# KiCad board main.kicad_pcb (continued)
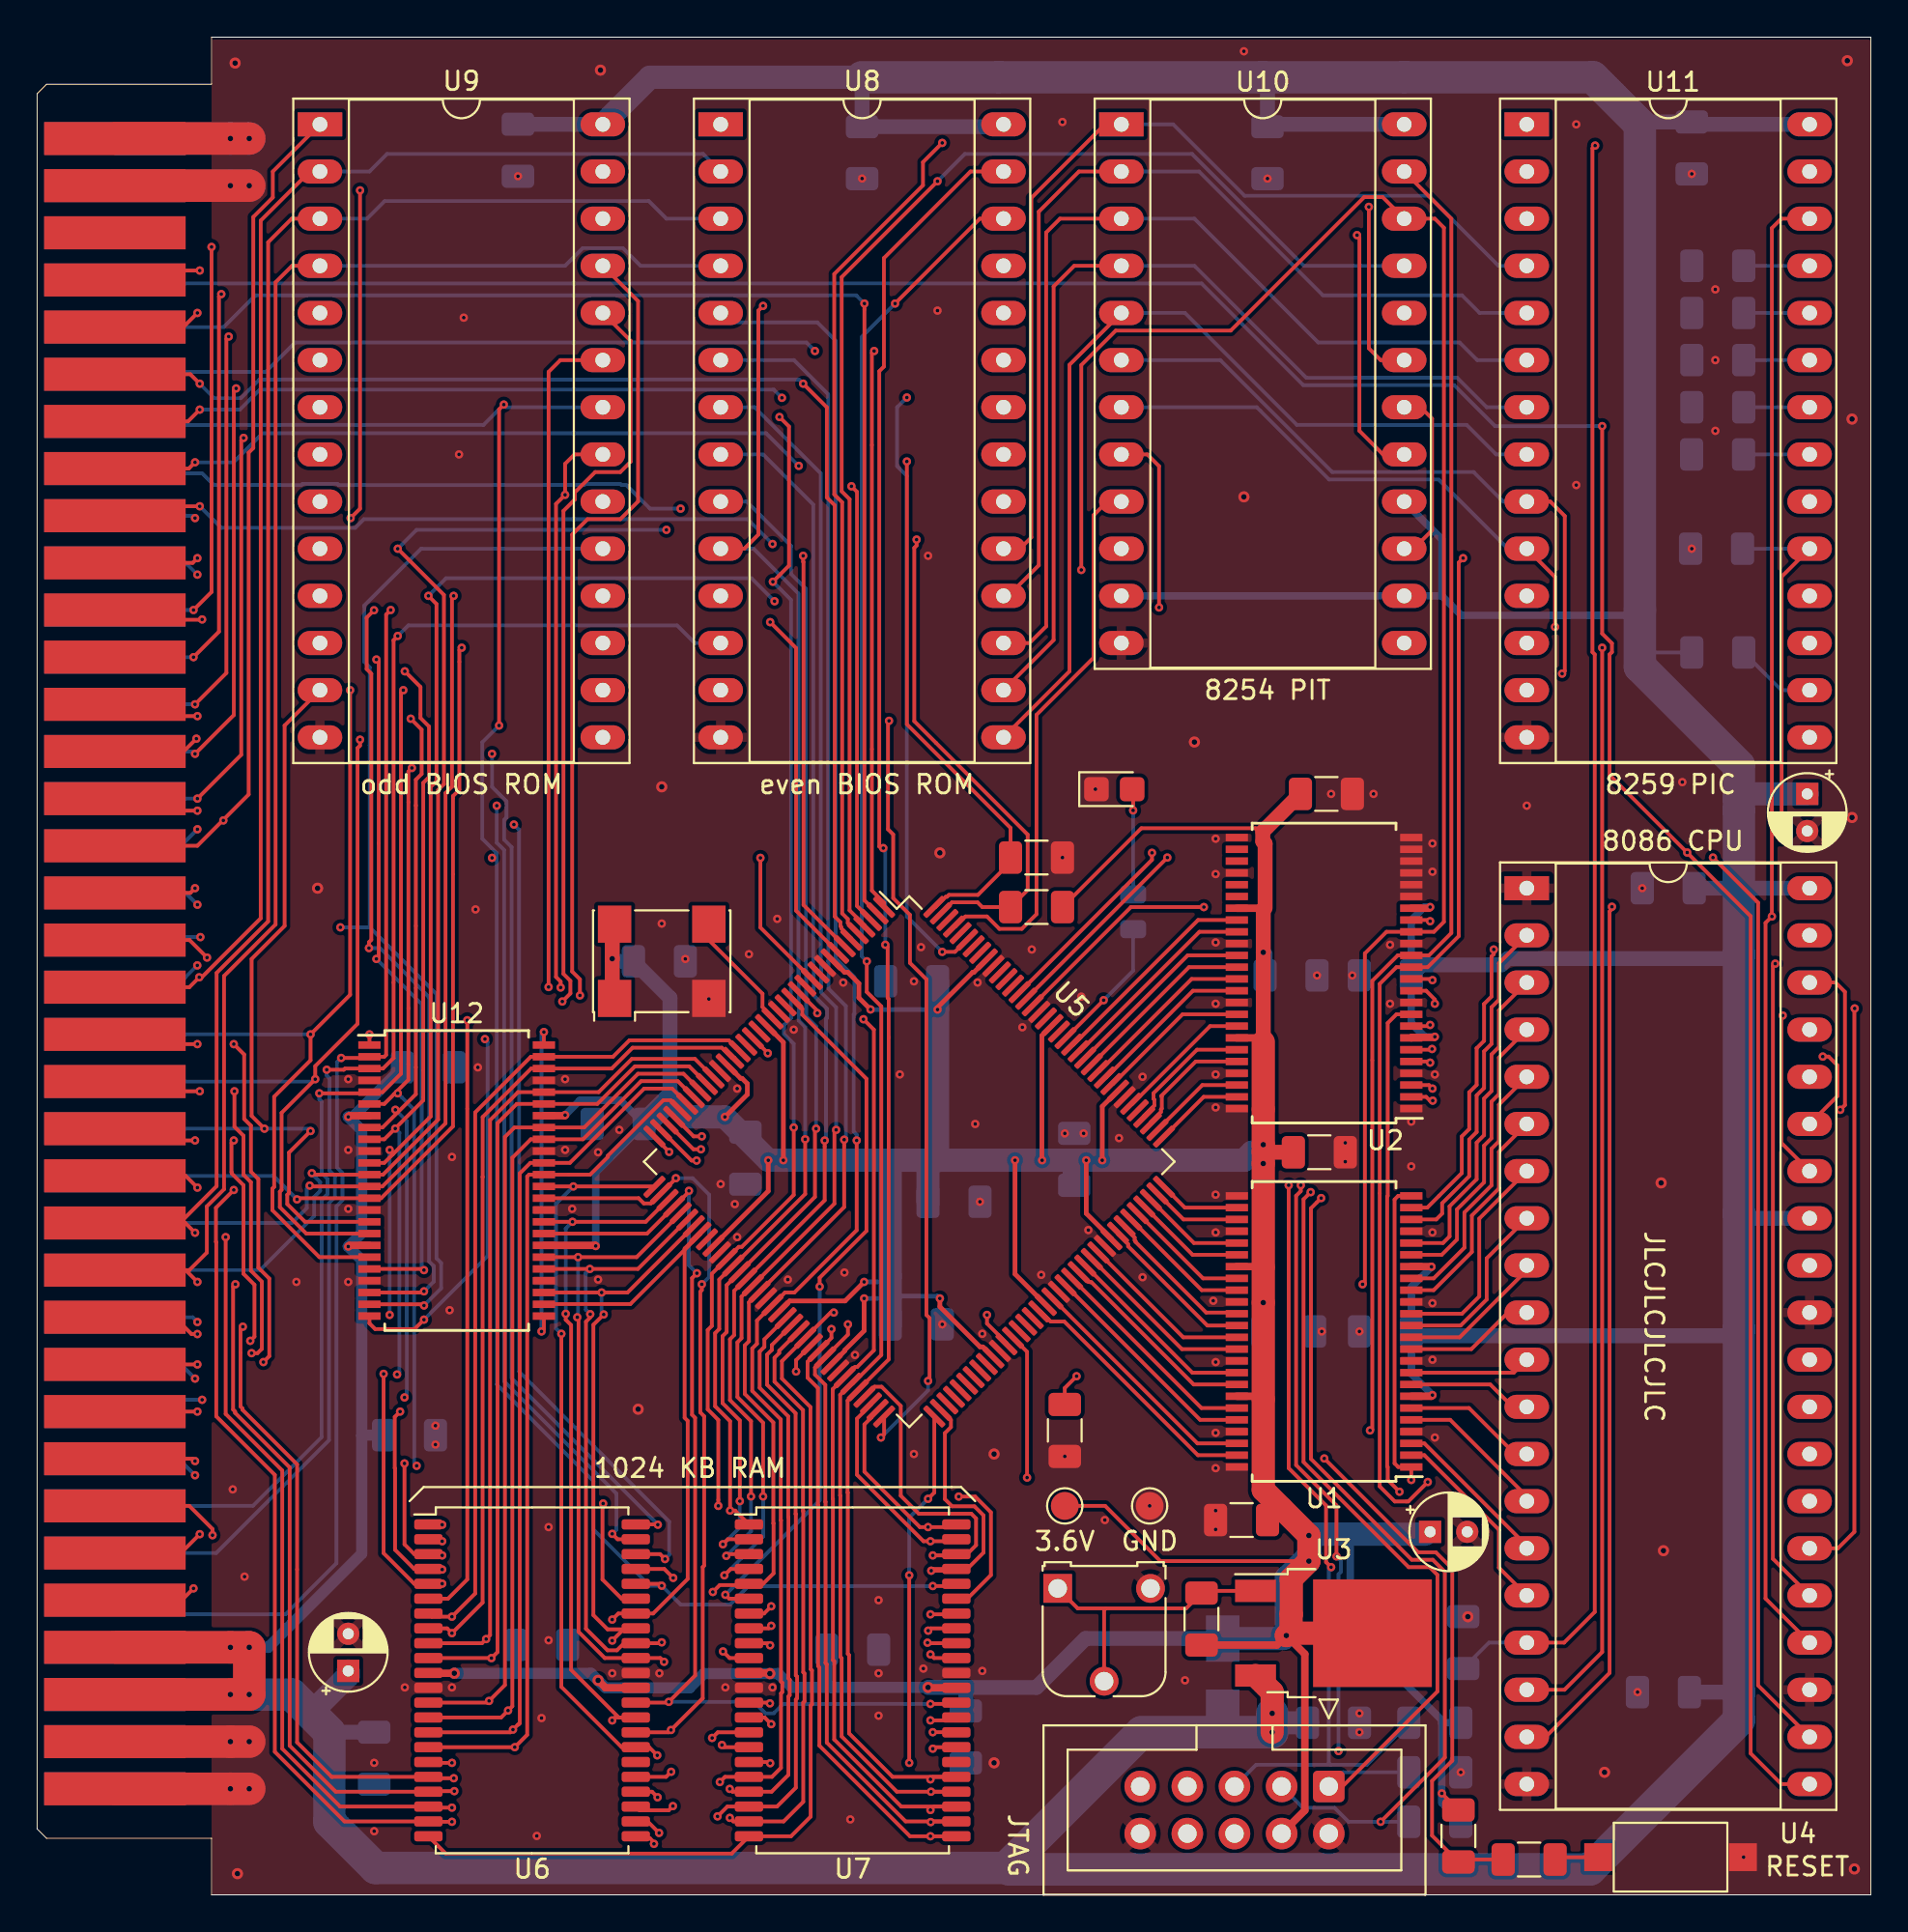
[diagram p0: board, top side]
## Routing (per net, layer and track width the routed paths; a pad name or vN(x,y) marks a point on that pad's centre or on a via; arc(x,y) is an arc through that point)
GND: length 57.9
  Top w1.75: v2(11.43,5.72) v2(10.41,5.72) X2.1 ; v2(11.43,8.25) v2(10.41,8.25) X2.2 ; X2.36 v2(11.43,94.61) ; X2.35 v2(11.43,92.07)
  Bottom w1.75: v2(11.43,94.61) v2(10.41,94.61) X2.36 ; v2(11.43,92.07) v2(10.41,92.07) X2.35 ; X2.2 v2(11.43,8.25) ; X2.1 v2(11.43,5.72)
  vias: v1(10.54,21.84) v1(11.18,17.14) v1(13.97,33.02) v1(16.76,43.94) v1(16.76,40.13) v1(16.76,36.96) v1(16.76,33.02) v1(18.16,7.11) v1(18.16,3.43) v1(19.81,11.18) v1(21.46,25.27) v1(21.46,24.26) v1(22.23,31.5) v1(22.35,39.75) v1(22.35,11.18) v1(22.73,77.6) v1(22.99,84.96) v1(23.62,53.09) v1(23.75,44.58) v1(25.91,92.58) v1(26.92,3.17) v1(27.18,9.53) v1(27.56,19.81) v1(27.56,13.72) v1(28.45,43.94) v1(28.45,40.13) v1(28.83,36.96) v1(30.23,40) v1(30.23,33.15) v1(30.99,11.94) v1(31.37,41.21) v1(33.53,11.94) v1(33.66,52.32) v1(34.93,50.42) v1(36.2,48.26) v1(36.83,38.29) v1(37.08,11.18) v1(37.59,37.21) v1(37.72,43.43) v1(37.72,35.43) v1(38.35,50.67) v1(39.62,11.18) v1(39.88,52.58) v1(40.45,33.15) v1(40.77,46.61) v1(43.43,49.15) v1(43.5,33.53) v1(43.82,4.06) v1(44.07,29.08) v1(44.45,92.46) v1(45.34,15.88) v1(45.34,11.94) v1(45.34,9.65) v1(46.48,44.2) v1(47.24,49.21) v1(47.24,23.75) v1(47.63,51.05) v1(47.75,12.19) v1(48.01,72.14) v1(48.51,85.34) v1(48.77,30.73) v1(50.55,41.53) v1(50.67,49.15) v1(50.8,37.34) v1(50.93,30.23) v1(50.93,12.06) v1(53.09,46.74) v1(53.59,50.93) v1(54.1,33.4) v1(55.24,95.5) v1(55.24,55.88) v1(55.37,41.02) v1(55.37,23.62) v1(56.26,48.39) v1(56.39,41.02) v1(56.64,35.81) v1(57.02,59.56) v1(57.53,20.19) v1(58.29,40.77) v1(59.56,44.07) v1(59.56,33.27) v1(59.94,20.95) v1(61.85,11.56) v1(63.37,32) v1(63.5,56.9) v1(63.5,54.99) v1(63.5,51.31) v1(63.5,48.01) v1(63.5,44.2) v1(63.5,42.42) v1(63.5,37.72) v1(63.5,35.69) v1(63.5,28.7) v1(63.5,24.89) v1(63.5,22.99) v1(63.5,20.7) v1(63.5,19.69) v1(65.02,99.31) v1(66.29,92.46) v1(68.96,49.53) v1(69.22,30.35) v1(69.72,59.31) v1(70.49,40.51) v1(70.49,39.5) v1(70.87,49.53) v1(71.25,30.35) v1(71.25,9.78) v1(71.25,8.76) v1(72.01,59.31) v1(72.9,51.18) v1(72.9,48.01) v1(74.04,41.66) v1(74.04,39.24) v1(75.18,56.64) v1(75.18,55.12) v1(75.18,35.69) v1(75.18,31.88) v1(75.18,28.83) v1(75.31,44.2) v1(75.31,24.64) v1(76.71,6.6) v1(80.26,58.67) v1(82.93,95.38) v1(82.93,75.95) v1(86.23,10.92) v1(86.49,54.23) v1(88.65,59.94) v1(89.15,92.71) v1(89.15,72.52) v1(90.42,86.49) v1(90.42,82.68) v1(90.42,78.87) v1(91.95,2.03) v2(10.67,98.68) v2(10.8,1.14) v2(15.11,54.23) v2(30.35,98.3) v2(32.38,26.16) v2(33.66,59.69) v2(48.64,56.13) v2(51.56,23.75) v2(51.56,7.11) v2(62.36,62.1) v2(65.02,75.31) v2(77.09,14.99) v2(84.46,6.6) v2(87.5,38.35) v2(87.63,18.54) v2(97.54,98.81) v2(97.79,79.5) v2(97.79,58.04) v2(97.92,1.4)
VCC: length 486.6
  Top w0.4: U12.18 16.83,34.99 v1(16.76,34.92) ; v1(75.31,46.23) 75.27,46.19 74.07,46.19 U2.7 ; v1(16.76,41.91) 16.83,41.97 U12.7 ; U1.18 75.12,33.85 v1(75.13,33.84) ; v1(75.06,53.21) 74.99,53.15 U2.18 ; v1(75.18,26.92) 75.12,26.86 U1.7
  Top w1.25: v2(66.55,8.76) 66.55,10.92 U3.3
  Top w1.75: X2.4 v2(10.41,13.33) v2(11.43,13.33) v2(11.43,10.8) v2(10.41,10.8) X2.3
  Bottom w0.2: 86.36,66.17 87.12,66.93 R5.1
  Bottom w0.4: v1(75.18,26.92) 74.05,28.06 74.05,32.75 v1(75.13,33.84) ; 75.69,69.98 75.69,73.02 U10.16 ; 75.69,69.98 76.74,68.93 86.07,68.93 86.36,69.22 ; 75.69,69.98 U10.14 U10.11 ; v1(75.06,53.21) 74.74,53.21 74.04,52.52 C9.1 74.04,46.95 74.77,46.23 v1(75.31,46.23)
  Bottom w0.6: v2(11.43,13.33) 12.45,13.33 17.49,18.38 17.49,24.73 ; 17.49,24.73 17.49,34.2 v1(16.76,34.92) 17.49,35.65 17.49,41.18 v1(16.76,41.91) 17.02,41.91 C26.1 ; 17.49,24.73 17.53,24.77 C28.1
  Bottom w0.8: U9.28 25.91,95.38 C5.1 ; U10.24 66.42,95.38 C10.1 66.29,97.66 66.04,97.92 ; C9.1 74.61,50.1 78.9,50.1 79.24,50.44 91.46,50.44 91.69,50.67 ; U4.40 C7.1 ; 91.69,30.48 91.33,30.12 74.28,30.12 74.05,30.35 ; C25.1 91.69,10.92 ; U8.28 51.95,95.25 C8.1 44.45,97.92 ; C11.1 15.75,8.77 15.75,8.76 ; 91.69,36.7 91.95,36.45 U4.33 ; D1.1 63.88,8.89 64.01,8.76 ; U11.28 89.28,95.38 C4.1 86.49,95.51 86.36,95.38
  Bottom w1.25: C29.1 91.95,59.31 91.69,59.05 ; 14.73,9.78 16.76,11.81 C12.1 ; C1.1 67.06,9.27 v2(66.55,8.76) ; U9.28 33.02,97.92 44.45,97.92
  Bottom w1.75: v2(11.43,10.8) 13.72,10.8 15.75,8.76 15.75,3.94 18.24,1.45 52.19,1.45 52.25,1.5 ; v2(11.43,10.8) v2(11.43,13.33) X2.4 ; v2(11.43,10.8) X2.3 ; 52.25,1.5 59.51,8.76 v2(66.55,8.76) v2(66.55,9.78) ; 52.25,1.5 52.37,1.38 83.67,1.38 91.69,9.4 91.69,60.83 86.36,66.17 86.36,95.38 83.82,97.92 44.45,97.92
VCC36: length 362.1
  Top w0.2: 55.25,53.21 59.5,57.46 65.65,57.46 66.04,57.07 66.04,56.75 ; R16.1 76.58,4.57 v1(75.69,5.47) ; v2(68.53,17.98) 60.52,17.98 57.55,20.95 TP1.1
  Top w0.25: v1(39.39,39.57) 39.39,37.91 U5.46 ; v1(44.56,32.13) 44.56,30.39 43.52,29.35 43.52,29.31 U5.64 ; U5.82 50.96,29.52 50.81,29.52 48.64,31.69 v1(48.64,32.13) ; v1(52.69,39.57) 52.69,33.44 U5.90 ; U5.126 54.14,46.29 54.14,39.59 v1(54.15,39.57) ; v1(40.21,39.57) 40.21,45.92 U5.19 ; v1(37.06,41.91) 38.27,43.12 38.27,43.7 37.98,43.98 37.91,43.98 U5.25 ; U5.116 57.39,42.47 v1(57.39,39.57) ; U5.56 40.55,32 43.54,32 v1(44.56,33.02) ; v1(48.52,47.69) 48.52,47.81 50.41,49.7 50.47,49.7 U5.136 ; v1(56.53,39.57) 56.53,36.71 57.89,35.35 U5.100 ; v1(44.91,47.7) 44.28,48.32 44.28,49.1 43.68,49.7 43.51,49.7 U5.9
  Top w0.4: v2(39.48,11.92) 39.44,11.96 U7.11 ; U7.33 48.02,11.16 v2(48.01,11.18) ; 66.17,53.16 66.07,53.06 65.98,53.15 U2.31 ; 66.07,26.7 65.9,26.86 U1.42 ; v2(30.23,11.56) 30.63,11.16 U6.33 ; J1.4 68.31,4.55 68.31,12.97 v2(67.31,13.97) 66.8,13.46 R4.1 ; 66.07,33.81 66.03,33.85 U1.31 ; v2(22.48,11.94) 21.1,11.94 U6.11 ; 66.07,45.95 65.85,46.16 U2.42 ; U12.42 28.41,41.97 v1(28.45,42.01) ; v1(30.1,34.95) 30.06,34.99 U12.31
  Top w0.8: 67.06,20.83 66.42,20.19 C13.1 ; X3.4 30.99,52.16 v2(30.99,50.43) 30.99,48.42 X3.1 ; 66.17,53.16 66.17,56.62 66.04,56.75 66.04,57.28 C15.1 ; 66.07,45.95 v2(66.07,50.77) 66.07,53.06 66.04,53.09 ; 66.07,40.03 66.09,40 C19.1
  Top w1.25: 66.07,45.95 v2(66.07,40.41) v2(66.07,39.4) v2(66.07,31.9) 66.07,21.82 v2(68.53,19.36) v2(68.53,17.98) 67.58,17.03 67.58,15.12 67.56,15.11 67.56,14.22 v2(67.31,13.97) 67.44,14.1 U3.2
  Bottom w0.25: 45.97,33.33 45.66,33.02 v1(44.56,33.02) ; v1(48.64,32.13) 48.52,32.25 45.97,32.25 45.85,32.13 v1(44.56,32.13) ; v1(48.52,47.69) 44.91,47.69 v1(44.91,47.7)
  Bottom w0.4: 75.69,9.26 75.69,9.27 R3.1 ; 75.69,9.26 v1(75.69,5.47) 75.69,4.96 R2.1 ; 75.69,9.26 75.69,9.41 70.75,14.35 70.75,19.29 70.61,19.43 ; v1(30.1,34.95) 30.1,38.92 C22.1 31.43,42.8 29.24,42.8 v1(28.45,42.01)
  Bottom w0.6: 25.65,11.94 v2(22.48,11.94) ; 25.65,11.94 25.78,12.06 C20.1 ; 25.65,11.94 29.85,11.94 v2(30.23,11.56) 30.63,11.16 35.16,11.16 35.92,11.92 v2(39.48,11.92) 39.92,11.92 40.67,11.18 42.8,11.18 ; 42.8,11.18 42.54,11.43 C21.1 ; 42.8,11.18 v2(48.01,11.18) ; C22.1 32.77,41.53
  Bottom w0.8: C24.1 66.16,50.68 v2(66.07,50.77) ; C30.1 50.04,11.18 ; 50.04,11.18 53.85,11.18 56.48,13.81 D1.2 ; 50.04,11.18 v2(48.01,11.18) ; 34.1,42.86 34.1,48.32 C17.1 31.13,50.29 v2(30.99,50.43) ; 66.07,30.63 v2(66.07,31.9)
  Bottom w1.25: v2(68.53,17.98) v2(68.53,19.36) 68.6,19.43 ; 55.93,39.57 v1(54.15,39.57) v1(52.69,39.57) 48.65,39.57 ; 55.93,39.57 55.88,39.52 C3.1 ; 55.93,39.57 v1(56.53,39.57) v1(57.39,39.57) 65.03,39.57 65.46,40 v2(66.07,39.4) v2(66.07,40.41) ; 68.6,19.43 68.6,18.37 67.31,17.09 v2(67.31,13.97) 67.15,13.81 D1.2 ; 68.6,19.43 74.8,19.43 ; 46.3,39.57 45.97,39.24 C16.1 ; 46.3,39.57 47.74,39.57 ; 46.3,39.57 v1(40.21,39.57) v1(39.39,39.57) v1(37.06,41.91) 35.05,41.91 34.1,42.86 32.77,41.53 ; C18.1 v1(48.52,47.69) 48.52,39.71 48.65,39.57 ; 47.74,39.57 48,39.31 C23.1 ; 47.74,39.57 48.65,39.57
/CPLD/CPLD_CLK: length 6.4
  Top w0.2: 39.63,47.28 39.08,47.83 39.08,48.55 36.2,51.44 36.2,52.29
/CPLD/INFO_LED: length 7.4
  Top w0.2: v1(57.47,48.2) 55.42,46.15 U5.124
  Bottom w0.2: v1(57.47,48.2) 59.05,49.78 R17.2
/CPLD/~{CPLD_RESET}: length 62.8
  Top w0.2: v1(40.89,28.19) 40.89,28.8 U5.61 ; C40.1 55.37,27.3 v1(56.01,27.94) ; R15.1 76.71,1.91 R16.2 75.16,3.2 75.16,6.14 76.25,7.23 76.25,17.57 75.37,18.45 74.41,18.45 v1(69.36,23.51)
  In2.Cu w0.2: v1(69.36,23.51) 69.13,23.73 60.21,23.73 v1(56.01,27.94) 55.53,28.42 41.12,28.42 v1(40.89,28.19)
/PIC TIMER/IRQ0: length 38.1
  In2.Cu w0.2: U10.10 59.94,72.52 61.53,70.93 82.11,70.93 83.06,69.98 U11.18
/PIC TIMER/IRQ2: length 31.1
  In2.Cu w0.2: U10.13 77.22,67.44 78.17,66.49 81.47,66.49 84.01,69.03 96.45,69.03 97,69.58 97,73.56 U11.20
/PIC TIMER/~{SP}_~{EN}: length 4.4
  Bottom w0.2: R5.2 93.99,64.9 U11.16
A0: length 197
  Top w0.2: v1(40.77,41.34) 40.77,37.7 37.97,34.91 37.8,34.91 U5.48 36.35,33.46 36.35,30.65 36.13,30.43 36.13,26.16 36.7,25.58 v1(36.7,20.95) ; v1(71.76,90.93) 71.76,83.31 72.39,82.68 U10.19 ; U6.39 31.49,15.96 30.46,16.99 30.46,21.05 v1(30.5,21.08) ; v1(49.66,21.46) 50.54,21.46 51.39,20.61 51.39,17.23 50.12,15.96 U7.39 ; X2.5 7.79,15.88 v1(8.43,16.51) ; v1(39.64,70.74) 40.51,71.61 40.51,79.1 v1(40,79.61)
  In2.Cu w0.2: U10.19 66.55,82.68 65.6,81.73 56.07,81.73 54.48,80.14 U8.22 40.53,80.14 v1(40,79.61) ; v1(30.5,21.08) 30.44,21.03 30.44,20.74 ; v1(49.66,21.46) 48.88,20.68 47.5,20.68 47.23,20.95 40.4,20.95 39.37,21.99 37.74,21.99 v1(36.7,20.95) 30.66,20.95 30.44,20.74 ; 30.44,20.74 23.91,20.74 23.9,20.72 21.86,20.72 21.48,20.34 8.89,20.34 8.24,19.68 8.24,16.7 v1(8.43,16.51) ; U11.27 93.6,92.84 92.01,91.25 72.07,91.25 v1(71.76,90.93)
  Bottom w0.2: v1(39.64,70.74) 40.62,69.76 40.62,47.24 40.24,46.86 40.24,46.37 40.77,45.85 v1(40.77,41.34)
A1: length 165.8
  Top w0.2: v1(39.12,85.6) 38.86,85.34 38.86,73.28 38.1,72.52 U8.10 ; U6.1 21.81,19.96 v1(21.83,19.94) ; v1(41.39,40.7) 41.39,37.76 37.53,33.9 U5.49 36.75,33.15 36.75,30.48 36.53,30.26 36.53,26.32 37.34,25.52 v1(37.34,20.7) 37.61,20.7 U7.1 ; X2.6 7.75,18.41 v1(8.76,19.43)
  In2.Cu w0.2: v1(37.34,20.7) 36.96,20.32 33.84,20.32 33.7,20.47 33.19,20.47 33.05,20.32 27.83,20.32 27.81,20.34 27.31,20.34 26.91,19.94 v1(21.83,19.94) 9.27,19.94 v1(8.76,19.43) ; U9.10 17.78,72.52 18.73,73.47 32.32,73.47 33.27,72.52 U8.10 ; U10.20 70.47,85.22 69.43,86.25 39.77,86.25 v1(39.12,85.6)
  Bottom w0.2: v1(41.39,40.7) 41.39,46.75 41.04,47.1 41.04,49.6 41.02,49.62 41.02,70.1 38.61,72.52 U8.10
A2: length 120.9
  Top w0.2: v1(9.45,19.38) 9.45,19.71 8.2,20.95 X2.7 ; U7.2 37.22,19.16 v1(36.95,18.89) ; v1(37.86,21.21) 37.86,25.56 36.93,26.49 36.93,30.1 37.15,30.32 37.15,32.84 U5.50 41.91,37.6 41.91,41.21 v1(41.97,41.27) ; v1(21.83,19.05) 21.72,19.16 U6.2
  In2.Cu w0.2: U9.9 18.03,75.06 18.98,74.11 32.7,74.11 33.8,75.2 36.69,75.2 U8.9 ; v1(9.45,19.38) 9.77,19.38 9.93,19.54 21.34,19.54 v1(21.83,19.05) 22.05,18.83 33.22,18.83 33.41,19.02 34.25,19.02 34.38,18.89 v1(36.95,18.89)
  Bottom w0.2: v1(36.95,18.89) 37.86,19.8 v1(37.86,21.21) ; U8.9 38.23,75.06 40.62,72.66 40.62,71.16 41.42,70.36 41.42,49.79 41.44,49.77 41.44,47.32 41.97,46.78 v1(41.97,41.27) 41.91,41.27
A3: length 127.8
  Top w0.2: v1(38.47,21.46) 38.47,25.52 37.33,26.65 37.33,29.93 37.55,30.15 37.55,32.54 U5.51 42.44,37.42 v1(42.44,40.64) ; U7.3 37.23,18.36 v1(37.14,18.26) ; v1(8.51,23.37) 8.38,23.49 X2.8 ; v1(19.79,23.24) 19.79,18.88 20.32,18.36 U6.3 21.76,18.36 v1(21.83,18.29)
  In2.Cu w0.2: U8.8 34.04,77.6 33.09,76.65 21.65,76.65 20.7,77.6 U9.8 ; v1(21.83,18.29) 33.25,18.29 33.58,18.62 34.08,18.62 34.23,18.47 36.61,18.47 36.82,18.26 v1(37.14,18.26) ; v1(19.79,23.24) 19.67,23.37 v1(8.51,23.37)
  Bottom w0.2: v1(38.47,21.46) 38.47,19.59 v1(37.14,18.26) ; v1(42.44,40.64) 42.51,40.71 42.51,47.19 42.56,47.25 42.56,47.73 41.84,48.46 41.84,49.93 41.82,49.95 41.82,74.89 39.12,77.6 U8.8
A4: length 135.6
  Top w0.2: v1(8.64,26.03) X2.9 ; U7.4 37.37,17.56 v1(37.03,17.21) ; v1(43.05,41.21) 42.96,41.12 42.96,37.24 U5.52 37.95,32.23 37.95,29.99 37.73,29.77 37.73,26.82 39.12,25.43 v1(39.12,21.46) ; v1(19.56,26.03) 19.27,25.75 19.27,22.99 19.29,22.97 19.29,18.59 20.32,17.56 U6.4 21.8,17.56 v1(21.83,17.53)
  In2.Cu w0.2: U9.7 22.73,80.14 23.75,79.12 33.27,79.12 34.29,80.14 U8.7 ; v1(19.56,26.03) v1(8.64,26.03) ; v1(21.83,17.53) 22.05,17.3 33.72,17.3 34.02,17.6 34.79,17.6 35.05,17.34 36.91,17.34 v1(37.03,17.21)
  Bottom w0.2: v1(39.12,21.46) 39.12,19.3 v1(37.03,17.21) ; U8.7 38.66,80.14 42.22,76.57 42.22,50.12 42.24,50.1 42.24,48.62 43.05,47.81 v1(43.05,41.21)
A5: length 142.5
  Top w0.2: v1(36.41,16.32) 36.78,16.69 38.29,16.69 U7.5 39.12,16.76 39.68,17.32 39.68,20.01 39.67,20.02 39.67,25.45 38.13,26.98 38.13,29.6 38.35,29.82 38.35,31.92 U5.53 43.49,37.05 v1(43.49,40.68) ; v1(18.67,28.07) 18.67,18.41 20.32,16.76 U6.5 21.82,16.76 v1(21.83,16.76) ; v1(8.64,28.58) X2.10
  In2.Cu w0.2: v1(36.41,16.32) 36.22,16.13 22.46,16.13 v1(21.83,16.76) ; U9.6 23.62,82.68 24.57,83.63 33.34,83.63 34.29,82.68 U8.6 ; v1(18.67,28.07) 9.14,28.07 v1(8.64,28.58)
  Bottom w0.2: U8.6 40.78,82.68 42.62,80.84 42.62,50.29 42.64,50.27 42.64,48.82 43.58,47.88 43.58,40.77 v1(43.49,40.68)
A6: length 168.3
  Top w0.2: v1(36.79,6.08) 37.06,6.36 U7.18 39.59,6.36 40.08,6.84 40.08,10.86 40.15,10.92 40.15,11.43 40.08,11.5 40.08,20.18 40.07,20.19 40.07,25.61 38.53,27.15 38.53,29.43 38.79,29.69 38.79,30.94 U5.55 40.3,32.45 40.8,32.45 44.16,35.81 v1(44.16,40.64) ; v1(11.09,30.61) 10.96,30.48 10.96,26.31 11.07,26.2 11.07,26.13 14.01,23.19 14.01,8.22 15.87,6.36 U6.18 21.16,6.28 v1(22.45,6.28) ; v1(8.64,30.21) 8.32,30.21 7.41,31.11 X2.11
  In2.Cu w0.2: v1(22.45,6.28) 33.71,6.28 33.89,6.11 36.76,6.11 v1(36.79,6.08) ; v1(8.64,30.21) 10.69,30.21 v1(11.09,30.61) ; U8.5 34.16,85.22 33.21,86.17 18.1,86.17 17.15,85.22 U9.5
  Bottom w0.2: v1(44.16,40.64) 44.16,40.96 44,41.12 44,47.42 44.03,47.46 44.03,49.44 43.02,50.45 43.02,83.72 42.04,84.71 37.34,84.71 U8.5
A7: length 171.8
  Top w0.2: v1(8.64,33.02) 8,33.66 X2.12 8.2,33.66 9.14,34.6 9.14,37.09 10.07,38.01 10.07,49.5 12.85,52.28 12.85,86.87 13.74,87.76 U9.4 ; v1(22.48,5.59) 21.11,5.59 U6.19 16.09,5.56 13.61,8.04 13.61,23.03 10.67,25.97 10.67,26.03 10.56,26.14 10.56,32.77 v1(10.69,32.89) ; U5.57 39.19,29.93 39.19,29.52 38.93,29.27 38.93,27.32 40.47,25.78 40.47,20.35 40.48,20.34 40.48,11.66 40.55,11.59 40.55,10.76 40.48,10.69 40.48,6.46 39.57,5.56 U7.19 37.47,5.56 v1(37.32,5.71)
  In2.Cu w0.2: v1(22.48,5.59) 22.7,5.81 33.61,5.81 33.72,5.71 36.38,5.71 36.53,5.55 37.17,5.55 v1(37.32,5.71) ; v1(10.69,32.89) 8.76,32.89 v1(8.64,33.02)
  Bottom w0.2: U9.4 28.45,87.76 29.4,88.71 31.56,88.71 32.51,87.76 U8.4
A8: length 175.1
  Top w0.2: v1(10.16,35.43) 10.16,25.91 13.21,22.86 13.21,7.87 16.33,4.76 U6.20 21.14,4.7 v1(22.35,4.7) ; v1(36.66,4.23) 37.19,4.76 U7.20 39.86,4.76 40.88,5.77 40.88,10.52 40.95,10.59 40.95,11.76 40.88,11.83 40.88,20.51 40.87,20.52 40.87,25.94 39.33,27.48 39.33,29.1 39.59,29.36 39.59,29.62 U5.58 ; v1(8.51,35.67) 7.98,36.19 X2.13 7.69,36.19 9.67,38.18 9.67,49.67 12.45,52.44 12.45,89.03 13.72,90.3 U9.3
  In2.Cu w0.2: v1(8.51,35.67) 9.92,35.67 v1(10.16,35.43) ; v1(36.66,4.23) 34.09,4.23 33.98,4.34 22.71,4.34 v1(22.35,4.7)
  Bottom w0.2: U8.3 33.91,90.3 32.96,91.25 18.73,91.25 17.78,90.3 U9.3
A9: length 188.7
  Top w0.2: v1(29.25,48.45) 29.25,49.32 28.83,49.74 28.83,73.28 29.66,74.11 31.42,74.11 32.38,75.06 32.38,85.86 U9.25 ; v1(8.64,38.1) 8,38.73 X2.14 ; v1(37.32,4.15) 37.52,3.96 U7.21 40.22,3.96 41.28,5.01 41.28,10.36 41.35,10.43 41.35,11.93 41.28,11.99 41.28,20.67 41.27,20.68 41.27,26.11 39.73,27.65 39.73,28.94 39.99,29.19 39.99,29.31 U5.59 ; v1(10.6,37.97) 9.63,37.01 9.63,35.18 9.65,35.16 9.65,25.78 12.81,22.63 12.81,7.71 16.56,3.96 U6.21 21.1,3.94 v1(22.35,3.94)
  In2.Cu w0.2: v1(8.64,38.1) 8.76,37.97 v1(10.6,37.97) 12.77,40.15 12.77,47.2 13.4,47.83 25.96,47.83 26.21,47.58 28.53,47.58 29.25,48.3 v1(29.25,48.45) ; U9.25 34.94,87.76 35.89,86.81 37.77,86.81 38.72,87.76 U8.25 ; v1(37.32,4.15) 36.88,3.7 34.05,3.7 33.81,3.94 v1(22.35,3.94)
A10: length 187.9
  Top w0.2: v1(42.93,31.37) 42.75,31.37 U5.60 40.13,28.75 40.13,27.81 41.67,26.28 41.67,20.85 41.68,20.84 41.68,12.16 41.75,12.09 41.75,10.26 41.68,10.19 41.68,4.22 40.62,3.16 U7.22 37.42,2.22 22.02,2.22 U6.22 ; U9.24 31.98,83.72 31.98,77.2 31.42,76.65 30.07,76.65 28.97,75.55 28.97,75.17 28.36,74.56 28.36,49.61 28.73,49.24 28.73,48.56 v1(28.3,48.12) ; X2.15 4.83,40.64 v1(8.51,40.64) ; v1(11.49,29.84) 11.71,30.07 11.71,32.87 11.12,33.46 11.12,38.23 10.48,38.86 10.48,38.92 10.47,38.93 10.47,40.52 v1(10.6,40.64)
  In2.Cu w0.2: v1(42.93,31.37) 41.26,29.7 11.63,29.7 v1(11.49,29.84) ; U9.24 33.27,85.22 34.22,84.27 49.34,84.27 50.29,85.22 U8.24 ; v1(28.3,48.12) 28.12,48.12 27.98,47.98 26.37,47.98 26.12,48.23 13.24,48.23 11.7,46.7 11.7,46.46 11.72,46.44 11.72,41.77 v1(10.6,40.64) v1(8.51,40.64)
A11: length 181.5
  Top w0.2: v1(42.8,30.48) 42.8,30 U5.62 41.51,28.72 41.51,27.86 42.07,27.31 42.07,21.02 42.08,21 42.08,12.33 42.15,12.26 42.15,8.04 47.03,3.16 U7.23 v1(48.13,3.16) ; v1(10.63,43.29) 10.63,41.38 11.12,40.89 11.12,38.79 11.52,38.39 11.52,33.62 12.11,33.03 12.11,29.42 11.87,29.18 v1(11.56,29.18) ; X2.16 4.72,43.29 v1(8.76,43.29) ; v1(33.24,2.75) 33.24,2.83 33.02,3.05 32.37,3.05 U6.23 ; v1(28.21,48.88) 28.21,49.2 27.96,49.45 27.96,74.93 v1(28.45,75.42) 28.45,77.09 28.96,77.6 U9.21
  In2.Cu w0.2: U8.21 52.07,76.75 51.73,76.41 33.68,76.41 33.3,76.03 29.05,76.03 v1(28.45,75.42) ; v1(8.76,43.29) v1(10.63,43.29) 11.3,43.96 11.3,46.86 13.07,48.63 26.29,48.63 26.54,48.38 27.81,48.38 28.21,48.78 v1(28.21,48.88) ; v1(33.24,2.75) 47.72,2.75 v1(48.13,3.16) ; v1(11.56,29.18) 11.68,29.3 41.62,29.3 v1(42.8,30.48)
A12: length 185.9
  Top w0.2: v1(43.69,30.73) 43.69,30.18 U5.63 41.91,28.41 41.91,28.03 42.47,27.47 42.47,21.18 42.48,21.17 42.48,12.49 42.55,12.42 42.55,8.2 46.8,3.96 U7.24 48.18,3.96 v1(48.15,3.92) ; U6.24 32.89,3.96 v1(33.51,3.34) ; v1(10.6,45.83) 11.16,45.27 11.16,41.8 11.52,41.44 11.52,38.96 11.92,38.56 11.92,33.79 12.51,33.2 12.51,29.02 v1(12.19,28.7) ; U9.23 28.19,82.68 27.56,82.04 v1(27.56,48.91) ; v1(8.64,45.83) 4.72,45.83 X2.17
  In2.Cu w0.2: v1(48.15,3.92) 47.51,3.28 33.57,3.28 v1(33.51,3.34) ; v1(27.56,48.91) 27.43,49.03 12.33,49.03 10.6,47.3 v1(10.6,45.83) v1(8.64,45.83) ; U9.23 31.1,82.06 35.55,82.06 35.89,81.73 40.82,81.73 41.02,81.93 41.53,81.93 41.73,81.73 51.97,81.73 52.07,81.83 U8.23 ; v1(12.19,28.7) 12.32,28.83 12.32,28.9 42.17,28.9 43.69,30.42 v1(43.69,30.73)
A13: length 176.1
  Top w0.2: v1(44.52,47.17) 45.09,46.61 45.09,29.34 44.18,28.43 44.06,28.43 U5.66 42.87,27.24 42.87,21.35 42.88,21.34 42.88,12.66 42.95,12.59 42.95,8.37 46.56,4.76 U7.25 48.32,4.76 v1(48.13,4.57) ; U9.2 14.69,92.84 12.05,90.2 12.05,52.61 8.87,49.43 v1(8.74,49.43) 8.2,48.89 X2.18 ; v1(34.26,4.78) 34.03,4.56 32.46,4.56 U6.25
  In2.Cu w0.2: v1(48.13,4.57) 47.95,4.75 34.29,4.75 v1(34.26,4.78) ; v1(8.74,49.43) 42.26,49.43 v1(44.52,47.17)
  Bottom w0.2: U9.2 17.91,92.84 18.86,93.79 35.88,93.79 U8.2
A14: length 175.9
  Top w0.2: v1(46.23,85.72) 50.8,90.3 U8.26 ; v1(44.7,50.29) 44.7,48.64 45.49,47.86 45.49,29.08 43.94,27.54 U5.67 43.27,26.94 43.27,21.51 43.28,21.5 43.28,12.82 43.35,12.75 43.35,8.54 46.33,5.56 U7.26 v1(48.16,5.56) ; U6.26 33.13,5.56 v1(33.43,5.26) ; v1(9.16,50.49) 8.21,51.44 X2.19
  In2.Cu w0.2: U8.26 51.12,91.25 31.43,91.25 U9.26 ; v1(44.7,50.29) 44.24,49.83 9.82,49.83 v1(9.16,50.49) ; v1(33.43,5.26) 33.48,5.31 34.91,5.31 35.07,5.15 47.76,5.15 v1(48.16,5.56)
  Bottom w0.2: v1(44.7,50.29) 44.43,50.56 44.43,83.93 v1(46.23,85.72)
A15: length 178.3
  Top w0.2: v1(45.7,51.18) 45.83,51.06 45.83,48.32 45.89,48.26 45.89,28.85 U5.68 43.67,26.63 43.67,21.68 43.68,21.67 43.68,12.99 43.75,12.92 43.75,8.7 46.09,6.36 U7.27 48.27,6.36 v1(48.13,6.22) ; X2.20 8.26,53.97 v1(8.51,54.23) ; v1(45.59,56.39) 45.47,56.39 45.38,56.48 45.38,82.08 45.63,82.33 45.63,88.17 50.29,92.84 U8.27 ; U6.27 33.89,6.36 v1(34.16,6.63)
  In2.Cu w0.2: U8.27 51.94,92.96 46.99,92.96 46.5,93.45 38.11,93.45 37.77,93.79 35.89,93.79 34.94,92.84 U9.27 ; v1(45.59,56.39) 10.67,56.39 v1(8.51,54.23) ; v1(48.13,6.22) 39.59,6.22 39.18,6.63 v1(34.16,6.63)
  Bottom w0.2: v1(45.7,51.18) 45.7,56.28 v1(45.59,56.39)
A16: length 161.1
  Top w0.2: U7.42 49.46,18.29 v1(48.26,18.29) 50.04,18.29 50.59,18.84 50.59,20.28 50.34,20.53 47.51,20.53 46.53,21.5 46.53,26.34 45.5,27.37 45.12,27.37 U5.69 ; X2.21 8.64,56.52 11.4,59.28 11.4,77.69 11.65,77.94 11.65,90.39 12.7,91.44 12.7,92.84 U9.1 ; v1(33.83,18.09) 33.57,18.36 U6.42
  In2.Cu w0.2: U8.1 35.88,96.33 16.19,96.33 U9.1 ; v1(48.26,18.29) 47.71,17.74 35.22,17.74 34.95,18.01 33.91,18.01 v1(33.83,18.09) ; v1(10.03,57.88) 25.47,57.88 v1(25.69,57.66)
  Bottom w0.2: v1(25.69,57.66) 25.97,57.38 25.97,28.2 34.06,20.11 34.06,18.32 v1(33.83,18.09)
A17: length 92.7
  Top w0.2: v1(8.64,58.41) 4.84,58.41 X2.22 ; v1(30.99,19.45) 31.28,19.16 U6.43 ; U5.70 44.93,26.41 44.18,25.65 44.18,22.63 47.76,19.05 v1(48.13,19.05) 49.42,19.05 U7.43
  In2.Cu w0.2: v1(30.99,19.45) 31.02,19.42 34.42,19.42 34.42,19.41 47.45,19.41 47.81,19.05 v1(48.13,19.05) ; v1(8.64,58.41) 24.5,58.41 v1(24.77,58.67)
  Bottom w0.2: v1(24.77,58.67) 24.77,56.68 25.17,56.28 25.17,27.67 31.21,21.62 31.21,19.67 v1(30.99,19.45)
A18: length 92.1
  Top w0.2: U6.44 33.43,19.96 v1(33.44,19.94) ; v1(8.58,62.28) 7.89,61.59 X2.23 ; U7.44 49.38,19.81 v1(48.01,19.81) 47.56,19.81 44.58,22.8 44.58,25.35 44.96,25.73 44.96,25.8 U5.71
  In2.Cu w0.2: v1(48.01,19.81) 34.59,19.81 34.58,19.82 33.57,19.82 v1(33.44,19.94) ; v1(24.51,61.47) 24.29,61.24 9.62,61.24 v1(8.58,62.28)
  Bottom w0.2: v1(24.51,61.47) 24.51,59.69 25.29,58.91 25.29,58.04 25.17,57.91 25.17,56.85 25.57,56.45 25.57,27.83 33.44,19.95 v1(33.44,19.94)
A19: length 84.5
  Top w0.2: v1(48.01,27.69) 48.09,27.77 48.09,31.07 47.92,31.24 47.92,49.32 47.03,50.21 47.03,52.79 46.13,53.69 46.13,57.12 45.85,57.4 45.85,63.19 v1(45.9,63.25) ; v1(8.64,63.5) 4.83,63.5 X2.24 ; v1(45.47,24.64) 45.64,24.81 U5.72
  In2.Cu w0.2: v1(45.9,63.25) 45.63,63.52 21.07,63.52 20.38,62.83 19.88,62.83 19.22,63.5 v1(8.64,63.5)
  Bottom w0.2: v1(48.01,27.69) 48.01,27.18 v1(45.47,24.64)
AD0: length 10.5
  Top w0.2: U1.2 74.75,23.69 78.76,19.67 78.76,17.63 U4.16
AD1: length 8.6
  Top w0.2: U1.3 74.75,24.32 80.26,18.8 U4.15
AD2: length 8.2
  Top w0.2: U4.14 80.26,21.46 76.14,25.59 U1.5
AD3: length 7.2
  Top w0.2: U4.13 79.63,23.75 77.15,26.23 U1.6
AD4: length 6.7
  Top w0.2: U4.12 79.5,26.29 78.3,27.5 U1.8
AD5: length 6.5
  Top w0.2: U4.11 79.57,28.13 U1.9
AD6: length 7
  Top w0.2: U4.10 79.25,31.37 77.28,29.4 U1.11
AD7: length 8
  Top w0.2: U4.9 80.26,33.66 76.64,30.04 U1.12
AD8: length 9.9
  Top w0.2: U4.8 78.11,34.29 78.11,32.07 76.7,30.67 U1.13
AD9: length 11.9
  Top w0.2: U1.14 76.77,31.31 77.7,32.24 77.7,36.43 U4.7
AD10: length 12.2
  Top w0.2: U1.16 75.25,32.58 77.3,34.63 77.3,36.6 78.76,38.05 78.76,40.03 U4.6
AD11: length 14.1
  Top w0.2: U4.5 78.76,42.57 78.76,40.59 78.36,40.19 78.36,38.22 76.9,36.76 76.9,34.87 75.25,33.21 U1.17
AD12: length 15.7
  Top w0.2: U4.4 78.76,45.11 78.76,43.13 78.36,42.73 78.36,40.76 77.96,40.36 77.96,38.39 76.5,36.93 76.5,35.31 75.68,34.48 U1.19
AD13: length 17.6
  Top w0.2: U1.20 75.75,35.12 76.1,35.47 76.1,37.09 77.56,38.55 77.56,40.53 77.96,40.93 77.96,42.9 78.36,43.3 78.36,45.27 78.76,45.67 78.76,47.65 U4.3
AD14: length 18.7
  Top w0.2: U4.2 78.76,50.19 78.76,48.21 78.36,47.81 78.36,45.84 77.96,45.44 77.96,43.47 77.56,43.07 77.56,41.09 77.16,40.69 77.16,38.72 75.7,37.26 75.7,36.7 75.39,36.39 U1.22
AD15: length 33.8
  Top w0.2: U1.23 74.9,37.02 76.76,38.88 76.76,40.86 77.16,41.26 77.16,43.23 77.56,43.63 77.56,45.61 77.96,46.01 77.96,47.99 78.36,48.39 78.36,50.55 78.49,50.67 v1(78.49,50.93)
  In2.Cu w0.2: U4.39 93.6,51.69 92.61,50.7 78.71,50.7 v1(78.49,50.93)
AD16: length 32
  Top w0.2: v1(75.2,42.78) 75.05,42.78 74.84,42.99 U2.2 ; U4.38 96.9,49.15 97.41,48.64 97.41,42.55 v1(97.16,42.29)
  In2.Cu w0.2: v1(97.16,42.29) 96.76,42.69 75.3,42.69 v1(75.2,42.78)
AD17: length 27
  Top w0.2: v1(75.18,43.43) 74.99,43.62 U2.3
  In2.Cu w0.2: U4.37 97,45.11 97,43.68 96.45,43.12 75.82,43.12 75.5,43.43 v1(75.18,43.43)
AD18: length 22
  Top w0.2: v1(75.06,44.83) 74.99,44.89 U2.5
  In2.Cu w0.2: U4.36 93.85,44.07 92.87,45.06 75.28,45.06 v1(75.06,44.83)
AD19: length 27.1
  Top w0.2: v1(75.16,45.57) 75.12,45.53 U2.6 ; v1(96.21,45.16) 96.53,45.16 97.01,44.68 97.01,43.03 U4.35
  In2.Cu w0.2: v1(96.21,45.16) 95.8,45.57 v1(75.16,45.57)
ALE: length 54.9
  Top w0.2: v1(75.18,49.28) 75.12,49.34 U2.12 ; v1(93.65,50.16) 93.53,50.04 93.53,18.1 U4.25
  In2.Cu w0.2: v1(93.65,50.16) 76.07,50.16 v1(75.18,49.28)
ALE_3: length 9.5
  Top w0.2: U5.119 57.25,44.38 62.21,49.34 U2.37
CLK: length 81
  Top w0.2: U4.19 81.28,8.51 84.73,11.96 84.73,52.98 84.85,53.1 v1(84.85,53.23) ; U5.129 58.94,53.21 v1(62.87,53.21)
  In2.Cu w0.2: v1(62.87,53.21) 63.39,53.74 75.31,53.74 75.82,53.23 v1(84.85,53.23)
D0: length 140.2
  Top w0.2: U10.8 59.82,77.6 60.45,76.96 v1(60.45,69.35) ; v1(16.38,45.08) 17.84,45.08 U12.2 18.71,45.15 18.81,45.25 18.81,68.97 v1(19.05,69.22)
  In2.Cu w0.2: v1(19.05,69.22) 19.27,68.99 35.84,68.99 U8.11 38.35,69.98 39.24,69.09 47.24,69.09 47.31,69.03 60.13,69.03 v1(60.45,69.35) 60.78,69.03 77.15,69.03 78.11,69.98 U11.11
  Bottom w0.2: X2.41 4.95,15.11 13.38,15.11 16.13,17.87 16.13,37.1 16.45,37.42 16.45,38.89 16.16,39.18 16.16,44.86 v1(16.38,45.08)
D1: length 154.3
  Top w0.2: U11.10 81.79,70.99 v1(81.79,68.3) ; v1(15.6,44.45) 16.53,44.45 16.59,44.51 U12.3 18.64,44.51 19.21,45.08 19.21,67.59 v1(19.43,67.82)
  In2.Cu w0.2: v1(81.79,68.3) 81.7,68.39 41.34,68.39 40.39,67.44 U8.12
  Bottom w0.2: U11.10 79.25,72.52 75.52,76.25 69.61,76.25 65.72,80.14 U10.7 ; X2.42 9.65,18.41 15.73,24.49 15.73,37.26 16.05,37.59 16.05,38.72 15.76,39.02 15.76,43.98 15.6,44.13 v1(15.6,44.45) ; v1(19.43,67.82) 20,68.39 34.48,68.39 35.43,67.44 U8.12
D2: length 156.6
  Top w0.2: v1(19.73,64.9) 19.61,64.77 19.61,44.24 18.61,43.24 U12.5 17.84,43.18 v1(15.2,43.18) ; v1(82.17,65.79) 82.31,65.93 82.31,74.28 81.53,75.06 U11.9
  In2.Cu w0.2: v1(19.73,64.9) 20.68,65.85 34.1,65.85 35.05,64.9 U8.13 41.4,64.9 42.35,65.85 82.11,65.85 v1(82.17,65.79)
  Bottom w0.2: X2.43 11.63,20.95 15.33,24.66 15.33,37.43 15.65,37.75 15.65,38.56 15.33,38.88 15.33,42.74 15.2,42.86 v1(15.2,43.18) ; U10.6 63.75,82.68 69.78,76.65 77.4,76.65 78.99,75.06 U11.9
D3: length 140.1
  Top w0.2: U10.5 55.63,82.42 55.63,65.91 U8.15 ; U12.6 18.71,42.61 19.23,43.13 ; v1(19.43,43.18) 19.38,43.13 19.23,43.13 ; 19.23,43.13 20.01,43.91 20.01,60.52 v1(20.19,60.71)
  In2.Cu w0.2: U8.15 49.28,62.36 47.63,60.71 v1(20.19,60.71) ; v1(20.45,23.11) 20.05,22.72 8.94,22.72 8.83,22.61 v1(8.51,22.61)
  Bottom w0.2: U10.5 61.85,85.22 67.88,79.19 77.02,79.19 78.61,77.6 U11.8 ; v1(19.43,43.18) 20.32,42.29 20.32,23.24 v1(20.45,23.11) ; X2.44 7.62,23.49 v1(8.51,22.61)
D4: length 140.3
  Top w0.2: 19.43,42.16 18.61,41.34 U12.8 ; 19.43,42.16 20.41,43.13 20.41,60.07 20.72,60.38 20.72,62.77 v1(20.13,63.36) ; 19.43,42.16 v1(19.3,42.29) ; U10.4 55.88,87.76 54.77,86.65 54.77,67.6 U8.16
  In2.Cu w0.2: v1(20.13,63.36) 20.72,63.95 46.93,63.95 47.75,64.77 51.94,64.77 U8.16 ; v1(8.89,26.67) 19.67,26.67 v1(19.79,26.8)
  Bottom w0.2: U10.4 62.36,87.76 68.39,81.73 76.52,81.73 78.11,80.14 U11.7 ; v1(19.79,26.8) 19.92,26.92 19.92,41.68 v1(19.3,42.29) ; v1(8.89,26.67) 4.83,26.67 X2.45
D5: length 142.9
  Top w0.2: U10.3 55.12,90.3 54.37,89.55 54.37,68.34 53.47,67.44 U8.17 ; U12.9 18.71,40.7 20.81,42.8 20.81,59.91 21.12,60.22 21.12,62.94 20.66,63.4 20.66,65.07 v1(19.81,65.91)
  In2.Cu w0.2: v1(19.81,65.91) 20.15,66.25 49.36,66.25 50.55,67.44 U8.17 ; v1(8.51,27.81) 8.78,27.54 18.9,27.54 v1(19.39,28.03)
  Bottom w0.2: X2.46 7.75,28.58 v1(8.51,27.81) ; v1(19.3,41.28) 19.52,41.06 19.52,28.16 v1(19.39,28.03) ; U11.6 77.6,82.68 76.65,83.63 69.03,83.63 62.36,90.3 U10.3
D6: length 140.9
  Top w0.2: v1(18.99,40.13) 19.16,39.96 19.16,39.89 ; 19.16,39.89 18.71,39.43 U12.11 ; 19.16,39.89 21.21,41.93 21.21,59.69 21.52,60 21.52,69.54 v1(21.08,69.98) ; U10.2 56.13,92.84 53.97,90.67 53.97,71.62 52.32,69.98 U8.18
  In2.Cu w0.2: v1(39.73,69.69) 39.94,69.69 40.23,69.98 U8.18 ; v1(8.64,30.86) 9.02,31.24 v1(18.99,31.24)
  Bottom w0.2: v1(8.64,30.86) 8.38,31.11 X2.47 ; v1(18.99,31.24) v1(18.99,40.13) ; U11.5 77.72,85.22 76.77,86.17 69.28,86.17 62.61,92.84 U10.2 ; v1(21.08,69.98) 22.03,70.93 38.49,70.93 v1(39.73,69.69)
D7: length 139.6
  Top w0.2: v1(19.43,72.52) 21.92,70.03 21.92,59.83 21.61,59.52 21.61,41.77 18.64,38.8 U12.12 14.88,38.8 v1(14.8,38.88) ; U8.19 52.96,72.52 53.57,73.13 53.57,91.42 57.53,95.38 U10.1
  In2.Cu w0.2: v1(33.91,73.53) 51.05,73.53 U8.19
  Bottom w0.2: U11.4 78.74,87.76 74.97,91.53 65.06,91.53 61.21,95.38 U10.1 ; v1(33.91,73.53) 20.45,73.53 v1(19.43,72.52) ; X2.48 12.01,33.66 14.93,36.57 14.93,37.6 15.25,37.92 15.25,38.39 14.8,38.84 v1(14.8,38.88)
D8: length 57
  Top w0.2: v1(22.44,69.98) 22.35,69.98 22.35,59.7 22.01,59.36 22.01,41.56 18.61,38.16 U12.13 14.74,38.16 v1(14.69,38.21)
  In2.Cu w0.2: U9.11 15.77,70.5 21.92,70.5 v1(22.44,69.98)
  Bottom w0.2: X2.49 13.73,36.19 14.53,36.99 14.53,38.05 v1(14.69,38.21)
D9: length 54.1
  Top w0.2: v1(14,37.47) 14.07,37.53 U12.14 18.54,37.53 22.41,41.4 22.41,59.19 22.75,59.54 22.75,67.06 v1(22.88,67.18)
  In2.Cu w0.2: v1(22.88,67.18) 15.49,67.18 U9.12
  Bottom w0.2: X2.50 12.73,38.73 v1(14,37.47)
D10: length 45.3
  Top w0.2: U9.13 13.34,62.99 13.34,52.2 11.56,50.42 11.56,41.96 v1(12.25,41.27) ; U12.16 14.43,36.26 13.48,37.21 13.48,37.72 13.57,37.81 13.57,39.99 v1(14.73,41.15)
  Bottom w0.2: v1(14.73,41.15) 14.6,41.27 X2.51
D11: length 56.4
  Top w0.2: U12.17 14.5,35.62 13.08,37.05 13.08,37.88 13.17,37.98 13.17,42.13 v1(14.99,43.94) 14.99,44.65 17.27,46.93 17.27,61.78 17.4,61.91 v1(17.4,62.23)
  In2.Cu w0.2: v1(17.4,62.23) 17.53,62.36 U9.15
  Bottom w0.2: v1(14.99,43.94) 14.86,43.81 X2.52
D12: length 60.6
  Top w0.2: v1(16.87,64.9) 16.87,48.49 v1(14.73,46.35) 14.73,44.96 12.77,43 12.77,38.14 12.68,38.05 12.68,36.88 15.21,34.35 U12.19
  In2.Cu w0.2: v1(16.87,64.9) 17.39,64.37 27.16,64.37 27.69,64.9 U9.16
  Bottom w0.2: X2.53 v1(14.73,46.35)
D13: length 65.3
  Top w0.2: v1(18.28,50.42) 18.29,50.42 18.41,50.54 18.41,66.42 v1(18.28,66.55) ; U12.20 20.78,33.72 v1(20.85,33.66)
  In2.Cu w0.2: v1(18.28,50.42) 10.16,50.42 9.52,51.05 8.89,51.05 8.63,50.79 v1(8.63,50.07) ; U9.17 26.67,67.44 25.89,66.66 18.39,66.66 v1(18.28,66.55)
  Bottom w0.2: v1(18.28,50.42) 20.72,47.98 20.72,33.78 v1(20.85,33.66) ; v1(8.63,50.07) 7.45,48.89 X2.54
D14: length 69
  Top w0.2: v1(20.85,32.51) 20.78,32.45 U12.22 ; v1(17.88,51) 17.88,51.32 18.01,51.45 18.01,65.79 17.76,66.04 17.76,68.81 v1(18.15,69.2)
  In2.Cu w0.2: v1(18.15,69.2) 18.69,69.74 20.3,69.74 20.59,69.45 27.67,69.45 28.19,69.98 U9.18 ; v1(8.8,51.59) 16.91,51.59 17.68,50.82 17.87,51 v1(17.88,51)
  Bottom w0.2: v1(8.8,51.59) 4.35,51.59 X2.55 ; v1(20.85,32.51) 21.37,33.04 21.37,33.87 21.12,34.12 21.12,48.36 18.47,51 v1(17.88,51)
D15: length 71.4
  Top w0.2: v1(20.85,31.75) 20.78,31.81 U12.23
  In2.Cu w0.2: v1(16.34,52.12) 9.86,52.12 v1(8.64,53.34)
  Bottom w0.2: 17.92,52.12 v1(16.34,52.12) ; 17.92,52.12 17.92,61.93 17.92,61.93 17.92,66.13 17.63,66.43 17.63,69.45 20.69,72.52 U9.19 ; 17.92,52.12 21.52,48.52 21.52,34.29 21.77,34.04 21.77,32.68 v1(20.85,31.75) ; X2.56 8,53.97 v1(8.64,53.34)
DATA_DIR: length 45.5
  Top w0.2: U5.85 53.34,29.26 v1(53.34,22.48) ; v1(74.04,22.35) U1.1 73.34,23.05 73.14,23.25 73.14,37.46 73.34,37.66 U1.24
  In2.Cu w0.2: v1(53.34,22.48) 53.47,22.35 v1(74.04,22.35)
DT_~{R}: length 49.7
  Top w0.2: v1(73.41,21.72) 72.77,22.35 72.77,23.05 72.74,23.08 72.74,37.63 72.77,37.66 72.77,46.96 73.24,47.43 U2.9
  In2.Cu w0.2: v1(73.41,21.72) 78.49,21.72 78.93,22.16 93.16,22.16 94.11,21.21 U4.27
DT_~{R}_3: length 8.3
  Top w0.2: U5.117 57.96,43.68 61.72,47.43 U2.40
INT: length 70.3
  Top w0.2: U4.18 82.3,11.05 84.33,13.08 v1(84.33,67.18)
  In2.Cu w0.2: v1(84.33,67.18) 84.58,67.44 U11.17
IRQ1: length 110.7
  Top w0.2: v1(94,56.9) 94,71.01 U11.19
  In2.Cu w0.2: v1(8.64,57.4) 9.14,56.9 45.32,56.9 45.7,57.28 63.1,57.28 63.25,57.42 63.75,57.42 63.9,57.28 93.62,57.28 v1(94,56.9)
  Bottom w0.2: X2.57 7.75,56.52 v1(8.64,57.4) ; U11.19 R9.1
